# Altium PCB OFDMT1.PcbDoc (part 2 of 3)
Units mm, origin at the board's own origin, x right, y up, seen from the top; angles counter-clockwise.
Board outline 40.21 x 28.18 mm, 6 copper layers (Top Layer, GND1, SIGNAL, POWER, GND2, Bottom Layer), stack 0.816 mm thick; 270 components, 194 nets, 1281 pads, 664 vias.
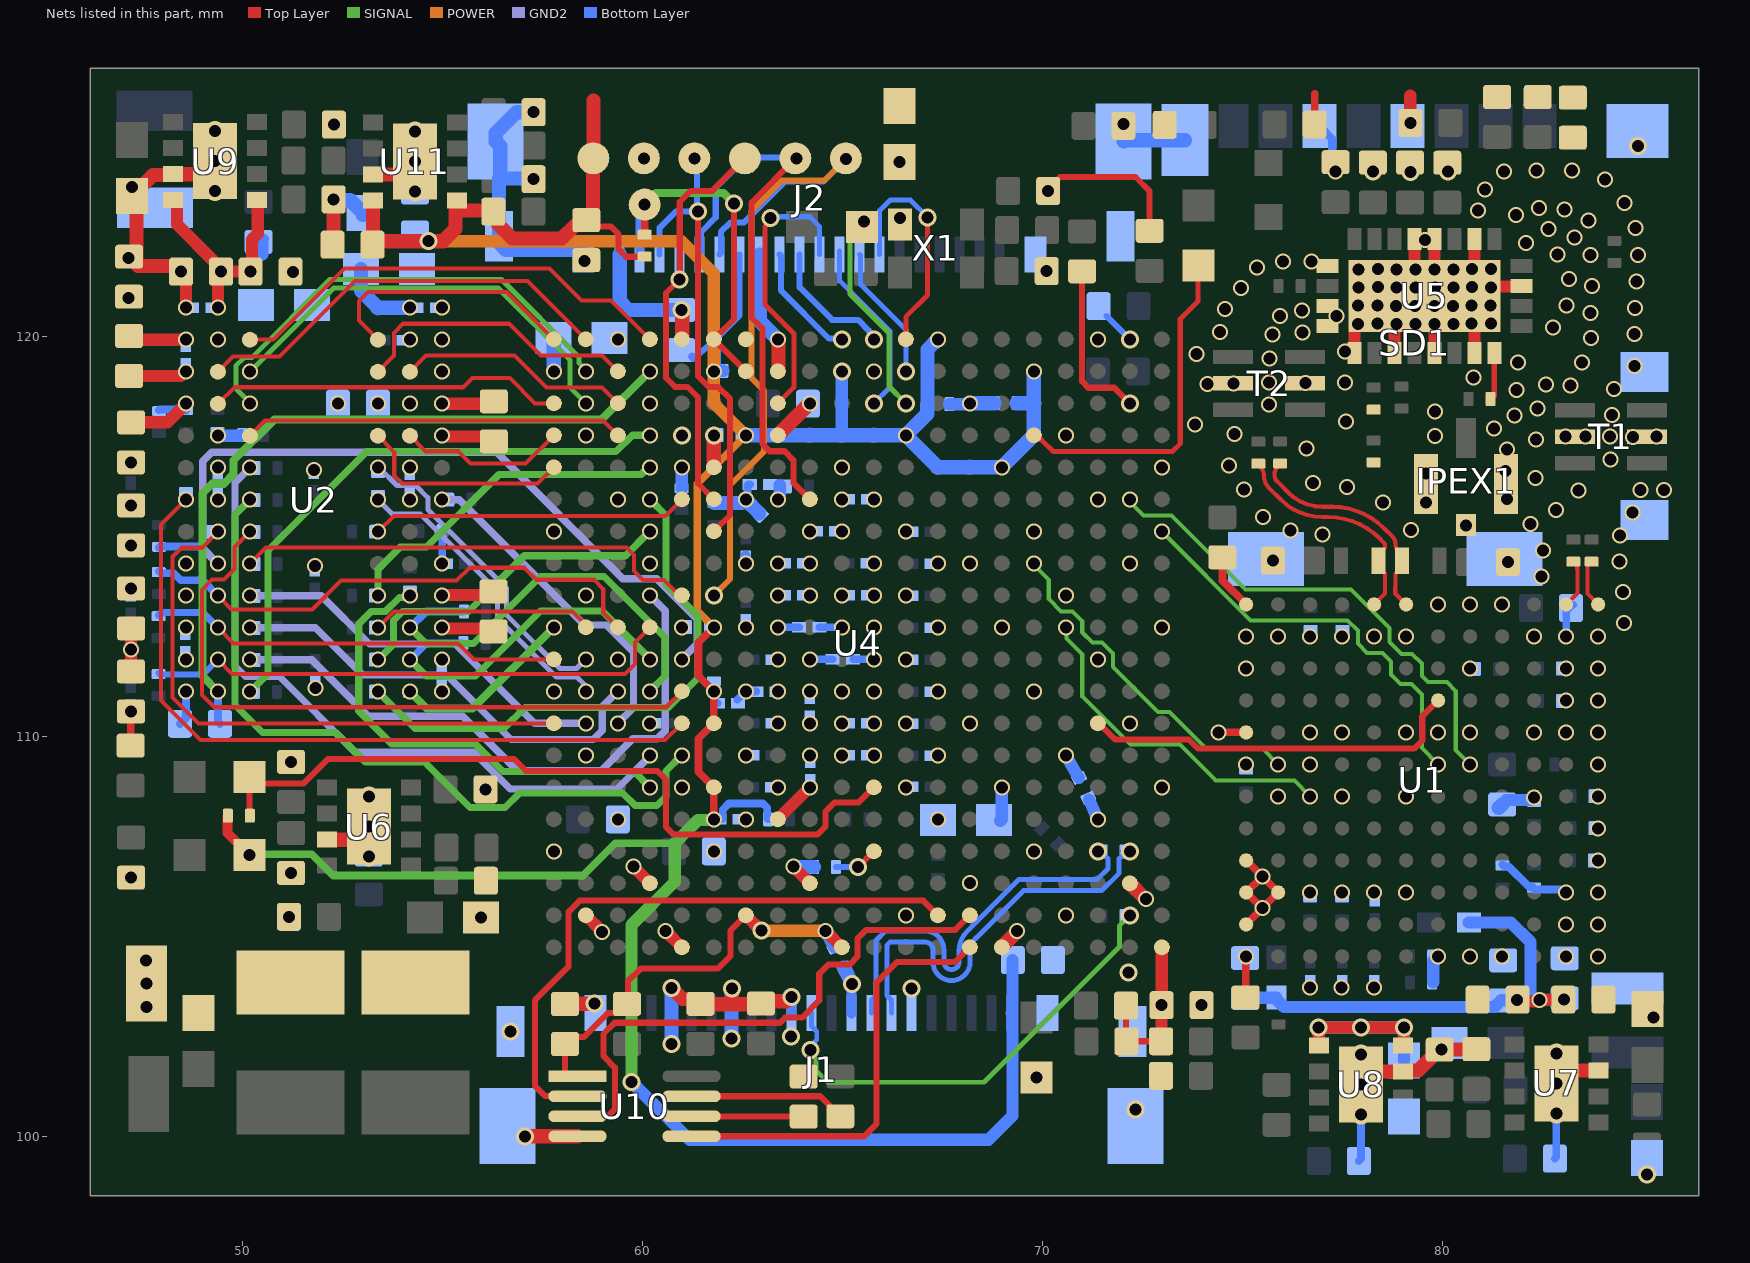
[diagram p6: the nets of this part, all layers, seen from the top]

## Via types
v1: diameter 0.4, hole 0.3, Top Layer to Bottom Layer, tented both sides, 519 vias
v2: diameter 0.45, hole 0.3, Top Layer to Bottom Layer, tented both sides, 130 vias
v3: diameter 0.5, hole 0.3, Top Layer to Bottom Layer, tented both sides, 15 vias

## Nets (pads, with @x,y where several pads share a name; then routed paths per layer and width w, separated by ;. In a path a pad name is that pad's centre, name@x,y a point inside that pad or via, vN(x,y) a via of type N, cw(c..) or ccw(c..) an arc to the next point about the centre after c; other vN are vias at no path point) (continued)
+1.3: C12.1 C109.1 C110.2 C113.1 C114.2 FB2.1 FB3.1 L2.2 | length 12.6
  Top Layer w0.305: v1(81.871,103.402) 81.871,103.377 82.434,103.377 82.468,103.411 C12.1@83.028,103.411 ; C12.1@83.028,103.416 C12.1@83.028,103.411 ; C12.1@83.036,103.411 C12.1@83.031,103.411 ; v1(83.036,103.416) C12.1@83.031,103.411 ; C12.1@83.028,103.411 C12.1@83.031,103.411
  Bottom Layer w0.305: C113.1@75.07,103.454 75.076,103.461 75.851,103.461 FB3.1@75.857,103.467 ; FB3.1@75.857,103.417 76.042,103.232 81.304,103.232 81.473,103.401 81.869,103.401 v1(81.871,103.402) 82.202,103.402 ; FB2.1@80.662,105.347 81.712,105.347 82.202,104.856 82.202,103.405 v1(82.434,103.405) ; v1@82.436,103.403 C110.2@83.012,103.403 ; C110.2@83.012,103.45 C110.2@83.058,103.45 83.036,103.427 v1(83.036,103.416)
+1.5: C5.2 C6.1 C19.1 C44.1 C45.1 C46.1 C47.1 C48.1 C49.1 C50.1 C51.1 C52.1 C53.1 C93.1 C94.1 C95.1 C96.1 C97.1 C98.1 C99.1 C101.2 R19.1 R23.1 R24.1 U2.A2 U2.A9 U2.B9 U2.C1 U2.D7 U2.E2 U2.E9 U2.G2 U2.G8 U2.K1 U2.K9 U2.M1 U2.M9 U4.A3 U4.D2 U4.E5 U4.G1 U4.H4 U4.L3 U4.P2 U4.R5 U4.U1 U4.V4 U9.4 U9.5 | length 13.2
  Top Layer w0.305: C47.1@47.168,119.007 48.459,119.007 48.565,119.113 v1(48.591,119.113) ; C50.1@47.219,111.62 47.217,111.622 47.217,112.164 v1(47.214,112.166) 47.217,112.168 47.217,112.694 C44.1@47.219,112.696 ; U9.4@48.33,123.394 48.37,123.354 48.37,122.793 49.319,121.845 49.319,121.763 v2(49.466,121.615) ; v1(49.391,120.713) 49.391,121.54 v2(49.466,121.615) ; C49.1@50.203,121.665 v2(50.203,121.615) ; U9.5@50.384,123.449 50.384,122.562 50.241,122.42 50.241,121.653 v2(50.203,121.615) ; v1(54.991,113.513) 55.009,113.532 56.188,113.532 C52.1@56.281,113.624 ; v1(54.991,117.513) 55.009,117.495 56.189,117.495 56.286,117.398 C48.1@56.286,117.373 ; v1(59.78,106.743) 59.78,106.737 60.187,106.33 U4.V4@60.187,106.324 ; v2(49.466,121.615) v2(50.203,121.615)
  Bottom Layer w0.305: v1(49.391,117.513) 49.953,117.513 C19.1@49.968,117.528 ; 50.503,122.047 50.503,122.412 50.508,122.417 R19.1@50.503,122.417 ; R24.1@60.984,116.202 60.984,116.721 v1(60.987,116.724)
  other v1: 57.787,107.124 60.987,108.724 58.587,109.524 48.591,111.913 54.991,111.913 59.387,111.924 48.591,113.513 60.187,114.324 47.219,114.772 57.787,115.124 49.391,115.913 54.191,115.913 47.219,116.847 58.587,117.524 53.391,118.313 54.991,119.913 59.387,119.924 54.991,120.713 47.155,120.955
+1.8: C3.2 C4.1 C29.1 C34.1 C35.2 C41.1 C43.1 C70.1 C71.1 C72.1 C73.1 C74.1 C75.1 C76.1 C77.1 C83.1 C84.1 C85.1 C86.1 C87.1 FB1.1 FB5.1 R16.1 R25.1 R91.1 R92.1 U1.H12 U4.C19 U4.F8 U4.F11 U4.F18 U4.G9 U4.H8 U4.H14 U4.J9 U4.J11 U4.J17 U4.K8 U4.K20 U4.L11 U4.M8 U4.M16 U4.N9 U4.N11 U4.N19 U4.P10 U4.R9 U4.R15 U4.T8 U4.T18 U4.U11 U4.V14 U4.W7 U4.W17 U4.Y10 U4.Y20 U8.4 U8.5 U10.1 | length 31.5
  Top Layer w0.152: U10.1@58.407,101.499 58.407,101.427 58.335,101.499 58.064,101.499 C43.1@58.064,102.307 58.234,102.476 58.539,102.476 59.145,103.083 59.39,103.083 R25.1@59.614,103.306 59.639,103.332 59.639,103.873 59.957,104.191 61.89,104.191 62.202,104.503 62.202,105.139 U4.W7@62.587,105.524 ; v2(65.392,106.731) U4.U11@65.787,107.124 ; FB5.1@70.993,121.623 70.993,118.872 71.152,118.713 71.798,118.713 v2(72.187,118.324) ; R92.1@71.879,102.101 72.103,102.325 R92.1@72.103,102.375 ; R91.1@72.09,103.264 72.09,102.387 R92.1@72.103,102.375 ; R16.1@72.976,102.381 R16.1@72.97,102.375 R92.1@72.103,102.375
  Top Layer w0.191: v1(74.409,110.096) U1.H12@75.095,110.096
  Top Layer w0.305: U4.W7@62.587,105.524 62.968,105.143 v2(62.979,105.143) ; U4.T8@63.387,107.924 v1(64.187,108.724) ; v1(64.58,105.137) 64.58,105.131 U4.Y10@64.987,104.724 U4.Y10@64.987,104.718 ; U4.V14@68.187,106.324 v1(68.187,106.327) ; R16.1@72.976,102.381 72.976,103.27 v1(72.982,103.276) 72.985,103.279 72.985,104.68 72.987,104.683 U4.Y20@72.987,104.724 ; U8.5@76.915,102.27 76.908,102.277 76.908,102.708 v2(76.902,102.715) v2(77.969,102.715) v2(79.036,102.715) 79.026,102.705 79.026,102.281 U8.4@79.015,102.27
  POWER w0.305: v2(62.979,105.143) 62.985,105.137 v1(64.58,105.137)
  Bottom Layer w0.152: C29.1@64.842,106.731 v2(65.392,106.731) ; C41.1@71.147,108.463 C41.1@71.167,108.418
  Bottom Layer w0.178: C73.1@65.265,111.925 v1(65.787,111.924)
  Bottom Layer w0.191: v1@63.387,112.725 C85.1@63.919,112.725
  Bottom Layer w0.305: v1(63.387,115.924) 63.405,115.942 63.405,116.01 63.433,116.038 63.433,116.283 ; v1(64.58,105.137) C34.1@64.806,104.719 ; C35.2@68.948,107.886 68.987,107.925 v1(68.987,108.724) ; C41.1@71.167,108.418 v1(71.387,107.924) ; v2(76.902,102.715) v2(77.969,102.715) v2(79.036,102.715) 79.04,102.711 79.04,101.897 C3.2@79.045,101.892
  other v1: 70.587,105.524 64.987,109.524 64.187,110.324 65.787,110.324 72.187,110.324 63.387,111.124 69.787,111.124 63.387,112.724 72.987,112.724 64.187,113.524 65.787,113.524 70.587,113.524 63.387,114.324 68.187,114.324 64.187,115.124 65.787,115.924 71.387,115.924
+3.3: C13.2 C32.1 C55.1 C56.1 C57.1 C58.1 C59.1 C60.1 C61.1 C62.1 C63.1 C104.2 C105.1 C106.1 D5.2 J1.1 J2.7 R29.1 R33.1 R58.2 R59.2 R60.2 R61.2 R65.2 R66.2 R89.2 R90.2 R93.2 SD1.4 TP5.1 U4.A13 U4.B6 U4.B10 U4.B16 U4.D7 U4.D12 U4.E15 U4.K6 U4.M6 U4.N6 U4.R6 U4.T6 U11.4 U11.5 | length 92.4
  Top Layer w0.152: C62.1@58.674,122.903 58.831,122.746 59.21,122.746 59.409,122.548 59.409,122.17 59.591,121.988 R65.2@60.058,121.988
  Top Layer w0.191: v1(61.787,107.924) U4.R6@61.787,108.724 61.403,109.108 61.403,109.94 U4.N6@61.787,110.324 v1(61.787,111.124) 61.403,111.508 61.403,112.34 v1(61.787,112.724) ; R60.2@76.806,125.298 76.806,126.06
  Top Layer w0.254: R93.2@49.631,107.991 49.631,107.582 v2(50.178,107.036)
  Top Layer w0.305: 79.197,126.022 79.197,125.34 v1(79.2,125.336)
  Top Layer w0.356: U11.4@53.264,123.391 53.264,122.415 53.303,122.376 v2(54.648,122.377) v2(54.648,122.377) 55.018,122.377 55.328,122.687 55.328,123.369 55.35,123.391 U11.5@55.364,123.391 ; U11.5@55.414,123.391 U11.5@55.364,123.391 ; R29.1@56.24,123.097 56.24,123.147 55.364,123.147 U11.5@55.364,123.391 ; R29.1@56.274,123.114 56.396,122.992 56.396,122.797 56.751,122.441 57.988,122.441 58.327,122.78 58.476,122.78 C62.1@58.598,122.903 ; C62.1@58.768,123.023 TP5.1@58.768,124.44 ; TP5.1@58.776,124.447 58.776,125.895
  SIGNAL w0.191: v2(50.178,107.036) 50.195,107.053 51.739,107.053 52.275,106.517 58.515,106.517 59.323,107.325 60.808,107.325
  SIGNAL w0.305: v2(59.728,101.359) 59.728,105.283 60.808,106.363 60.808,107.325 61.389,107.906 61.769,107.906 v1(61.787,107.924)
  POWER w0.191: v1(61.787,112.724) 61.374,113.137 61.374,116.311 61.787,116.724 v1(62.587,117.524)
  POWER w0.305: v2(54.648,122.377) 60.979,122.377 61.787,121.57 v1(61.787,119.124) 61.787,118.324 v1(62.587,117.524)
  Bottom Layer w0.152: C55.1@61.239,119.516 61.213,119.49 61.264,119.429 61.787,119.877 62.434,120.524 J2.7@62.434,122.047 ; v1@61.809,119.146 61.809,119.213 61.885,119.29 61.885,119.961
  Bottom Layer w0.191: v1(61.787,111.124) 61.827,111.084 61.827,110.865 61.863,110.829 C106.1@61.887,110.829 ; C105.1@61.833,107.971 v1(61.787,107.924) 62.001,107.924 C105.1@62.001,107.955 ; C105.1@61.925,107.925 C105.1@61.971,107.925 ; C105.1@62.007,107.961 62.007,108.163 62.163,108.319 63.012,108.319 63.123,108.207 63.123,107.945 R89.2@63.144,107.924
  Bottom Layer w0.305: v2(59.728,101.359) 61.176,99.911 68.656,99.911 69.257,100.512 69.257,102.649 69.255,102.651 J1.1@69.255,103.049 ; v1(61.787,119.124) v1@61.793,119.13 ; v1@61.799,119.136 R66.2@62.025,119.136 ; v2(64.987,119.124) 64.987,117.599 65.062,117.524 ; J1.1@69.228,103.077 69.255,103.104 69.255,103.502 69.257,103.504 C57.1@69.257,104.403
  Bottom Layer w0.356: v1@62.587,117.536 v1(62.587,117.524) 65.062,117.524 v1(66.587,117.524) ; C59.1@67.124,118.3 67.124,118.061 v1(66.587,117.524) ; C59.1@67.128,118.305 67.128,119.666 v1(67.387,119.924) ; C60.1@69.355,118.326 69.785,118.326 69.787,118.324 ; v1(69.787,119.124) 69.787,118.324 ; v1(66.587,117.524) 67.387,116.724 v1(68.987,116.724) 69.787,117.524 69.787,118.324
AD9361_RESET: R7.1 U1.K5
  other v1: 80.695,111.696
AD9361_RX1A_N: C10.2 U1.M2 | length 1.2
  Top Layer w0.102: U1.M2@83.095,113.296 83.374,113.575 83.374,114.179 83.373,114.239 C10.2@83.274,114.338
AD9361_RX1A_P: C9.2 U1.M1 | length 1.2
  Top Layer w0.102: C9.2@83.731,114.338 83.632,114.239 83.632,114.184 83.628,114.179 83.628,113.564 U1.M1@83.895,113.296
AD9361_TX1A_N: C23.2 L4.2 U1.M8 | length 5.7
  Top Layer w0.104: C23.2@75.4,116.789 75.435,116.754 cw(c75.169,116.489) 75.545,116.489 ccw(c75.92,116.489) 75.655,116.223 75.972,115.906 ccw(c77.001,116.935) 77.001,115.48 77.148,115.48 cw(c77.148,113.669) 78.428,114.95 78.531,114.847 cw(c78.438,114.753) 78.57,114.753 cw(c78.438,114.753) L4.2@78.531,114.66 ; U1.M8@78.295,113.296 78.567,113.568 78.567,113.816 78.57,113.819 78.57,114.066 78.406,114.23 L4.2@78.406,114.383 78.406,114.419 cw(c78.686,114.419) 78.488,114.617 L4.2@78.531,114.66
AD9361_TX1A_P: C24.2 L1.2 U1.M7 | length 5.8
  Top Layer w0.104: C24.2@75.946,116.794 75.875,116.723 ccw(c76.054,116.544) 75.801,116.544 ccw(c76.054,116.544) 75.875,116.365 76.153,116.088 ccw(c77.001,116.937) 77.001,115.736 77.254,115.736 cw(c77.254,113.926) 78.535,115.206 78.75,114.99 cw(c78.566,114.806) 78.826,114.806 ccw(c79.087,114.806) 78.903,114.622 78.908,114.617 cw(c78.711,114.419) 78.99,114.419 L1.2@78.99,114.383 78.99,114.23 78.826,114.066 78.826,113.713 78.823,113.71 78.823,113.568 U1.M7@79.095,113.296
ANT: C33.2 U5.12 | length 1.2
  Top Layer w0.14: C33.2@81.229,118.432 81.303,118.506 U5.12@81.303,119.581
bootmode: J2.2 R65.1 TP7.1 U4.A6 U4.B7 | length 9.2
  Top Layer w0.152: v2(62.292,123.316) 62.292,120.429 U4.A6@61.787,119.924 U4.B7@62.587,119.124
  Top Layer w0.191: R65.1@60.058,122.538 v2(60.058,123.292)
  SIGNAL w0.203: v2(60.058,123.292) 60.345,123.579 62.029,123.579 v2(62.292,123.316)
  Bottom Layer w0.203: J2.2@59.934,122.047 59.934,123.1 60.058,123.225 v2(60.058,123.292)
CLK_IN_9361: R62.2 U1.M12 | length 1.4
  Top Layer w0.191: R62.2@74.498,114.473 74.504,114.467 74.504,113.887 U1.M12@75.095,113.296
CLK_OUT_9361: U1.J6 U4.N18 | length 9.6
  Top Layer w0.152: U4.N18@71.387,110.324 71.415,110.324 71.824,109.916 73.666,109.916 73.892,109.69 79.294,109.69 79.498,109.894 79.498,110.499 U1.J6@79.895,110.896
DATA_CLK_P: U1.G11 U4.H16 | length 8.9
  SIGNAL w0.102: v1(69.787,114.324) 69.787,114.282 70.161,113.908 70.161,113.429 70.47,113.119 70.757,113.119 70.997,112.878 70.997,112.6 71.259,112.339 71.495,112.339 71.762,112.072 71.762,111.737 72.895,110.604 73.177,110.604 74.092,109.69 75.502,109.69 v1(75.895,109.296)
DDR_A0: R32.1 U2.K3 U4.N2 | length 9.7
  GND2 w0.178: v1(50.191,113.513) 51.974,113.513 53.181,112.306 55.321,112.306 57.303,110.324 v1(58.587,110.324)
DDR_A1: R37.1 U2.L7 U4.K2 | length 5.6
  Top Layer w0.102: v1(53.391,112.713) 53.796,113.119 58.249,113.119 58.587,112.781 U4.K2@58.587,112.724
DDR_A2: R41.1 U2.L3 U4.M3 | length 11.2
  GND2 w0.178: v1(50.191,112.713) 51.827,112.713 53.005,111.536 55.103,111.536 56.718,109.921 58.772,109.921 58.998,110.147 58.998,110.736 v1(59.387,111.124)
DDR_A3: R45.1 U2.K2 U4.K3 | length 13.3
  Top Layer w0.102: v1(49.391,113.513) 49.73,113.174 51.748,113.174 52.463,113.889 55.353,113.889 55.675,114.212 57.058,114.212 57.357,113.913 58.793,113.913 59.022,113.684 59.022,113.089 U4.K3@59.387,112.724
  Bottom Layer w0.191: R45.1@47.914,114.128 47.968,114.073 48.288,114.073 48.463,113.898 49.007,113.898 v1(49.391,113.513)
DDR_A4: R48.1 U2.L8 U4.M4 | length 10.9
  SIGNAL w0.178: v1(54.191,112.713) 54.584,112.321 55.78,112.321 57.455,113.995 59.042,113.995 60.568,112.47 60.568,111.505 v1(60.187,111.124)
  Bottom Layer w0.191: v1(54.191,112.713) 54.596,113.119 R48.1@55.517,113.119
DDR_A5: R52.1 U2.L2 U4.L1 | length 10.4
  Top Layer w0.102: v1(49.391,112.713) 49.781,112.324 55.393,112.324 55.792,111.924 U4.L1@57.787,111.924
  Bottom Layer w0.178: R52.1@47.904,113.025 47.965,113.086 48.063,113.086 48.07,113.093 49.011,113.093 v1(49.391,112.713)
DDR_A6: R55.1 U2.M8 U4.L4 | length 8.8
  SIGNAL w0.178: v1(54.191,111.913) 54.598,111.507 55.83,111.507 57.453,113.13 58.996,113.13 v1@60.187,111.939
  Bottom Layer w0.178: v1(54.191,111.913) 54.609,112.331 R55.1@55.499,112.331
  other v1: 60.187,111.924
DDR_A7: R34.1 U2.M2 U4.K4 | length 13.4
  Top Layer w0.102: v1(49.391,111.913) 49.745,111.56 59.566,111.56 59.811,111.805 59.811,112.349 U4.K4@60.187,112.724
  Bottom Layer w0.152: R34.1@47.904,111.577 47.933,111.548 49.026,111.548 v1(49.391,111.913)
DDR_A8: R38.1 U2.N8 U4.K1 | length 4.6
  SIGNAL w0.203: v1(54.191,111.113) 54.609,110.695 55.758,110.695 v1(57.787,112.724)
DDR_A9: R42.1 U2.M3 U4.J4 | length 15.6
  GND2 w0.191: v1(50.191,111.913) 51.739,111.913 53.149,110.503 55.511,110.503 56.873,109.14 58.971,109.14 59.766,109.935 60.371,109.935 60.571,110.135 60.571,113.14 v1(60.187,113.524)
  Bottom Layer w0.191: v1(50.191,111.913) 50.197,111.907 R42.1@50.305,111.907
DDR_A10: R46.1 U2.H7 U4.F5 | length 7.9
  Top Layer w0.102: v1(53.391,115.113) 53.788,115.51 60.573,115.51 U4.F5@60.987,115.924
DDR_A11: R49.1 U2.M7 U4.G4 | length 8.5
  SIGNAL w0.178: v1(53.391,111.913) 53.778,112.301 53.778,112.897 54,113.119 54.596,113.119 55.653,113.119 57.047,114.513 59.575,114.513 v1(60.187,115.124)
DDR_A12: R53.1 U2.K7 U4.E4 | length 8.5
  SIGNAL w0.178: v1(53.391,113.513) 53.391,114.176 53.947,114.732 54.608,114.732 56.424,116.548 59.972,116.548 60.148,116.724 v1(60.187,116.724)
DDR_A13: R56.1 U2.N3 U4.D4 | length 14.5
  SIGNAL w0.178: v1(50.191,111.113) 50.64,111.562 50.64,114.648 53.11,117.118 59.344,117.118 59.751,117.524 v1(60.187,117.524)
DDR_A14: R35.1 U2.N7 U4.F4 | length 13.9
  SIGNAL w0.178: v1(53.391,111.113) 54.313,110.191 56.533,110.191 57.064,110.721 60.652,110.721 61.389,111.458 61.389,113 60.594,113.795 60.594,115.518 v1(60.187,115.924)
DDR_BA0: R39.1 U2.J2 U4.L5 | length 19.7
  GND2 w0.191: v1(49.391,114.313) 49.007,114.698 49.007,116.873 49.232,117.098 56.357,117.098 59.514,113.94 60.355,113.94 61.371,112.924 61.371,112.308 v1(60.987,111.924)
  Bottom Layer w0.191: R39.1@47.917,114.711 47.95,114.744 48.96,114.744 v1(49.391,114.313)
DDR_BA1: R43.1 U2.K8 U4.R4 | length 11.8
  SIGNAL w0.178: v1(54.191,113.513) 54.15,113.473 53.925,113.473 53.572,113.12 53.221,113.12 52.911,112.81 52.911,110.628 53.735,109.805 55.823,109.805 56.513,109.115 59.796,109.115 v1(60.187,108.724)
DDR_BA2: R47.1 U2.J3 U4.J5 | length 11.7
  Top Layer w0.102: v1(50.191,114.313) 50.596,114.719 59.603,114.719 59.793,114.529 59.793,114.13 60.016,113.907 60.544,113.907 U4.J5@60.927,113.524
  Bottom Layer w0.191: v1(50.191,114.313) 50.197,114.307 R47.1@50.305,114.307
DDR_CAS: R36.1 U2.G3 U4.P5 | length 18.7
  SIGNAL w0.178: v1(50.191,115.913) 49.817,115.54 49.817,115.274 49.813,115.27 49.813,110.782 50.503,110.092 52.336,110.092 53.075,109.353 54.553,109.353 55.689,108.217 56.566,108.217 56.934,108.585 59.501,108.585 59.821,108.265 60.37,108.265 60.593,108.489 60.593,109.131 v1(60.987,109.524)
DDR_CKE: R44.1 U2.G9 U4.N3 | length 8.3
  GND2 w0.178: v1(54.991,115.913) 55.422,115.913 58.558,112.777 59.104,112.777 59.783,112.098 59.783,110.721 v1(59.387,110.324)
DDR_CKN: R51.2 U2.G7 U4.M2 | length 7.7
  GND2 w0.127: v1(53.391,115.913) 53.75,115.554 54.447,115.554 56.384,113.618 56.384,112.945 57.853,111.477 58.368,111.477 58.535,111.31 58.535,111.176 v1(58.587,111.124)
DDR_CKP: R51.1 U2.F7 U4.L2 | length 7.9
  GND2 w0.127: v1(53.391,116.713) 53.423,116.713 53.867,116.269 54.334,116.269 54.638,115.964 54.638,115.668 56.6,113.707 56.6,113.034 57.942,111.692 58.355,111.692 v1(58.587,111.924)
DDR_CS: R54.1 U2.H2 U4.N1 | length 14.7
  Top Layer w0.102: v1(49.391,115.113) 48.989,114.712 48.475,114.712 48.251,114.488 48.251,110.973 48.9,110.324 U4.N1@57.787,110.324
DDR_DM0: U2.B7 U4.A1 | length 6.6
  Top Layer w0.102: U2.B7@53.391,119.913 52.915,120.389 52.915,120.88 53.138,121.103 56.608,121.103 U4.A1@57.787,119.924
DDR_DQ0: U2.B3 U4.A4 | length 11.5
  Top Layer w0.102: U2.B3@50.191,119.913 50.783,119.913 52.559,121.689 57.682,121.689 58.474,120.897 59.214,120.897 U4.A4@60.187,119.924
DDR_DQ1: U2.C7 U4.B3 | length 7.3
  Top Layer w0.102: U2.C7@53.391,119.113 53.79,119.513 53.79,120.082 54.021,120.313 56.67,120.313 57.462,119.522 58.989,119.522 U4.B3@59.387,119.124
DDR_DQ2: U2.C2 U4.A2 | length 10.7
  Top Layer w0.102: U2.C2@49.391,119.113 49.77,119.492 50.925,119.492 52.817,121.384 57.127,121.384 57.458,121.053 U4.A2@58.587,119.924
DDR_DQ3: U2.C8 U4.C3 | length 5.9
  Top Layer w0.102: U2.C8@54.191,119.113 54.592,119.515 56.803,119.515 57.6,118.718 58.994,118.718 U4.C3@59.387,118.324
DDR_DQ4: U2.E3 U4.D3 | length 9.5
  Top Layer w0.102: U2.E3@50.191,117.513 50.566,117.889 59.022,117.889 U4.D3@59.387,117.524
DDR_DQ5: U2.E8 U4.D1 | length 4.2
  Top Layer w0.102: U2.E8@54.191,117.513 54.58,117.125 55.403,117.125 55.708,116.819 57.081,116.819 U4.D1@57.787,117.524
DDR_DQ6: U2.D2 U4.C1 | length 8.9
  Top Layer w0.102: U2.D2@49.391,118.313 49.802,118.725 55.52,118.725 55.748,118.953 56.686,118.953 57.315,118.324 U4.C1@57.787,118.324
DDR_DQ7: U2.E7 U4.E1 | length 5.4
  Top Layer w0.102: U2.E7@53.391,117.513 53.797,117.107 53.797,116.522 54,116.319 57.382,116.319 U4.E1@57.787,116.724
DDR_DQS0_N: U2.D3 U4.B2 | length 11.8
  SIGNAL w0.127: v1(50.191,118.313) 50.191,118.341 49.837,118.694 49.837,119.125 49.838,119.127 49.838,119.259 50.045,119.466 50.238,119.466 52.193,121.421 56.479,121.421 58.412,119.489 58.412,119.335 58.587,119.16 v1(58.587,119.124)
DDR_DQS0_P: U2.C3 U4.C2 | length 10.9
  SIGNAL w0.127: v1(50.191,119.113) 52.283,121.205 56.389,121.205 58.196,119.399 58.196,118.716 v1(58.587,118.324)
DDR_ODT: R50.1 U2.G1 U4.N5 | length 18.8
  Top Layer w0.102: U2.G1@48.558,115.881 47.968,115.291 47.968,110.896 48.959,109.906 60.569,109.906 U4.N5@60.987,110.324
  other v1: 48.59,115.913
DDR_RAS: R57.1 U2.F3 U4.P4 | length 17.1
  GND2 w0.178: v1(50.191,116.713) 49.813,116.336 49.813,111.756 50.078,111.491 50.929,111.491 52.819,109.601 55.775,109.601 56.698,108.678 59.366,108.678 60.187,109.499 v1(60.187,109.524)
DDR_RESET: R31.2 U2.N2 U4.B4 | length 18.6
  SIGNAL w0.203: v1(49.391,111.113) 49,111.504 49,116.075 49.239,116.313 49.543,116.313 49.781,116.552 49.781,116.9 50.799,117.918 58.98,117.918 v1(60.187,119.124)
  Bottom Layer w0.203: v1(49.391,111.113) 49.391,110.362 R31.2@49.441,110.312
DDR_WE: R40.1 U2.H3 U4.M5 | length 17.2
  Top Layer w0.102: v1(50.191,115.113) 49.802,114.725 49.802,114.177 49.539,113.913 49.247,113.913 48.988,113.655 48.988,111.035 49.299,110.725 60.588,110.725 U4.M5@60.987,111.124
  Bottom Layer w0.191: v1(50.191,115.113) 50.197,115.107 R40.1@50.305,115.107
EN_AGC: U1.G5 U4.F19 | length 12.6
  SIGNAL w0.102: v1@72.118,115.93 72.526,115.522 73.225,115.522 75.074,113.674 77.718,113.674 78.68,112.711 78.68,112.362 78.981,112.062 79.244,112.062 79.49,111.816 79.49,111.503 79.637,111.357 80.111,111.357 80.335,111.133 80.335,109.657 v1(80.695,109.296)
  other v1: 72.187,115.924
EN_ENSM: U1.G6 U4.G20 | length 10.5
  SIGNAL w0.102: v1@73,115.1 75.204,112.895 77.633,112.895 77.886,112.642 77.886,112.317 78.119,112.084 78.499,112.084 78.721,111.863 78.721,111.538 78.953,111.306 79.227,111.306 79.489,111.043 79.489,109.702 v1(79.895,109.296)
  other v1: 72.987,115.124
FB_CLK_P: U1.F10 U4.K17 | length 8.6
  SIGNAL w0.102: v1(70.587,112.724) 70.601,112.71 70.601,112.443 70.998,112.045 70.998,110.989 72.199,109.788 73.437,109.788 74.336,108.89 76.302,108.89 v1(76.695,108.496)
FPGA_DIR: U4.Y14 U10.5 | length 11
  Top Layer w0.152: U10.5@61.23,99.999 65.544,99.999 65.849,100.305 65.849,103.835 66.373,104.359 67.822,104.359 U4.Y14@68.187,104.724
FPGA_DONE: D1.2 R93.1 U4.R11 | length 19.1
  Top Layer w0.152: R93.1@50.178,108.013 D1.2@50.178,108.979 50.335,108.821 51.532,108.821 52.146,109.436 56.792,109.436 57.096,109.131 60.374,109.131 60.596,108.909 60.596,107.727 60.783,107.54 64.373,107.54 64.575,107.742 64.575,108.115 64.801,108.341 65.403,108.341 U4.R11@65.787,108.724
FPGA_JTAG_TCK: J2.5 TP3.1 U4.F9 | length 14
  Top Layer w0.152: v2(63.856,124.447) TP3.1@63.825,124.447 63.825,124.435 62.729,123.338 62.729,120.468 63,120.197 63,117.309 63.185,117.124 63.558,117.124 63.778,116.904 63.778,116.333 U4.F9@64.187,115.924
  Bottom Layer w0.152: J2.5@61.434,122.047 61.468,122.082 61.468,122.606 61.834,122.972 61.834,123.709 62.598,124.473 63.83,124.473 v2(63.856,124.447)
FPGA_JTAG_TDI: J2.3 TP1.1 U4.G6 | length 11.8
  Top Layer w0.152: v2(61.393,123.118) 61.392,123.116 61.392,119.003 61.666,118.729 61.899,118.729 62.194,118.434 62.194,115.531 U4.G6@61.787,115.124
  Bottom Layer w0.152: J2.3@60.434,122.047 60.434,122.714 60.837,123.118 v2(61.393,123.118) 61.37,123.141 61.37,124.297 61.3,124.367 v2(61.3,124.447)
FPGA_JTAG_TDO: J2.4 TP2.1 U4.F6 | length 11
  Top Layer w0.152: U4.F6@61.787,115.924 61.392,116.319 61.392,118.472 61.133,118.731 60.822,118.731 60.591,118.962 60.591,121.081 v2(60.935,121.425) 60.935,123.356 61.214,123.636 61.751,123.636 TP2.1@62.563,124.447
  Bottom Layer w0.152: v2(60.935,121.425) J2.4@60.934,122.047
FPGA_JTAG_TMS: J2.6 TP4.1 U4.J6 | length 17.6
  POWER w0.152: v2(61.787,113.524) 62.192,113.929 62.192,116.275 63.043,117.126 63.043,118.642 62.724,118.961 62.724,123.129 63.484,123.889 64.542,123.889 v2(65.087,124.435)
  Bottom Layer w0.152: J2.6@61.934,122.047 61.966,122.079 61.966,122.608 62.199,122.842 62.535,122.842 63.569,123.876 64.529,123.876 v2(65.087,124.435)
FPGA_MIPI_D0_LP_N: U4.W14 U10.3 | length 14.1
  Top Layer w0.152: U10.3@58.378,100.499 58.402,100.523 59.165,100.523 59.316,100.674 59.316,101.718 59.024,102.01 59.024,102.556 59.305,102.837 63.444,102.837 63.574,102.966 63.995,102.966 64.424,103.395 64.424,104.067 64.649,104.292 65.18,104.292 65.383,104.495 65.383,104.948 65.594,105.159 67.822,105.159 U4.W14@68.178,105.515
FPGA_MIPI_D0_LP_P: U4.W13 U10.2 | length 15.4
  Top Layer w0.152: U10.2@58.378,100.999 58.375,101.002 57.571,101.002 57.315,101.258 57.315,103.397 58.152,104.234 58.152,105.606 58.436,105.889 67.022,105.889 U4.W13@67.387,105.524
GND: C1.2 C2.2 C3.1 C4.2 C5.1 C6.2 C7.1 C8.1 C11.1 C12.2 C13.1 C14.1 C15.1 C16.2 C17.1 C18.2 C20.1 C21.2 C22.2 C25.2 C26.2 C27.1 C28.1 C29.2 C30.1 C31.1 C32.2 C34.2 C35.1 C36.2 C37.2 C38.2 C39.2 C40.2 C41.2 C42.2 C43.2 C44.2 C45.2 C46.2 C47.2 C48.2 C49.2 C50.2 C51.2 C52.2 C53.2 C54.1 C55.2 C56.2 C57.2 C58.2 C59.2 C60.2 C61.2 C62.2 C63.2 C64.2 C65.2 C66.2 C67.2 C68.2 C69.2 C70.2 C71.2 C72.2 C73.2 C74.2 C75.2 C76.2 C77.2 C78.2 C79.2 C80.2 C81.2 C82.2 C83.2 C84.2 C85.2 C86.2 C87.2 C88.1 C89.2 C90.2 C91.2 C92.2 C93.2 C94.2 C95.2 C96.2 C97.2 C98.2 C99.2 C100.1 C101.1 C102.1 C103.1 C104.1 C105.2 C106.2 C109.2 C110.1 C111.2 C112.1 C113.2 C114.1 C115.2 C116.1 C117.2 C118.2 C119.1 C120.2 C121.1 C122.2 C123.1 C124.2 C125.1 C126.2 C127.2 C128.2 C130.2 C131.2 C132.2 C133.2 C134.2 C135.2 C136.2 C137.2 C138.2 C139.2 C140.2 C141.1 C142.1 C143.2 C144.1 C145.1 D4.1 IPEX1.2 IPEX1.3 IPEX1.4 J1.6 J1.9 J1.12 J1.15 J1.18 J1.MP1 J1.MP2 J1.MP3 J1.MP4 J1.MP5 J1.MP6 J2.1 J2.8 J2.MP1 J2.MP2 J2.MP3 J2.MP4 J2.MP5 J2.MP6 pwr-1.1 pwr-.1 R4.2 R6.1 R8.1 R9.2 R12.2 R15.2 R18.2 R21.1 R22.2 R26.2 R27.1 R28.2 R31.1 R63.1 R64.1 R67.2 R70.2 R71.1 R94.1 SD1.6 SD1.9 SD1.10 SD1.11 SD1.12 SD1.13 SD1.14 T1.2 T1.5 T2.2 T2.5 TP6.1 U1.A1 U1.A2 U1.A4 U1.A5 U1.A6 U1.A12 U1.B1 U1.B2 U1.B12 U1.C1 U1.C2 U1.C7 U1.C8 U1.C9 U1.C10 U1.C11 U1.C12 U1.D1 U1.D12 U1.E1 U1.F1 U1.F3 U1.F7 U1.F9 U1.F11 U1.G1 U1.G10 U1.G12 U1.H1 U1.H2 U1.H3 U1.H5 U1.H6 U1.H7 U1.H9 U1.H10 U1.J1 U1.J2 U1.K1 U1.K2 U1.K12 U1.L1 U1.L2 U1.L3 U1.L7 U1.L8 U1.L9 U1.L10 U1.L11 U1.L12 U1.M4 U1.M5 U1.M6 U2.A1 U2.A8 U2.B1 U2.B2 U2.B8 U2.C9 U2.D1 U2.D8 U2.D9 U2.F2 U2.F8 U2.J1 U2.J9 U2.L1 U2.L9 U2.N1 U2.N9 U4.A5 U4.A8 U4.A18 U4.B1 U4.B8 U4.B11 U4.C4 U4.C9 U4.C14 U4.D5 U4.D6 U4.D8 U4.D17 U4.E6 U4.E10 U4.E20 U4.F3 U4.F7 U4.F10 U4.G10 U4.G12 U4.G16 U4.H7 U4.H9 U4.H11 U4.H13 U4.H19 U4.J2 U4.J8 U4.J10 U4.J12 U4.K5 U4.K7 U4.K10 U4.K11 U4.K13 U4.K15 U4.L8 U4.L9 U4.L12 U4.L18 U4.M1 U4.M7 U4.M9 U4.M10 U4.M11 U4.M13 U4.N4 U4.N8 U4.N10 U4.N12 U4.N14 U4.P7 U4.P9 U4.P11 U4.P13 U4.P17 U4.R8 U4.R12 U4.R20 U4.T3 U4.T7 U4.T13 U4.U6 U4.U16 U4.V9 U4.V19 U4.W2 U4.W12 U4.Y5 U4.Y15 U5.1 U5.3 U5.4 U5.5 U5.7 U5.9 U5.11 U5.15 U5.18 U5.20 U5.21 U5.25 U6.3 U6.9 U7.3 U7.9 U8.3 U8.9 U9.3 U9.9 U10.4 U11.3 U11.9 X1.2 | length 89
  Top Layer w0.152: v2(70.147,123.634) 70.147,123.685 70.444,123.982 72.329,123.982 72.682,123.629 R63.1@72.682,122.636
  Top Layer w0.191: R94.1@47.206,109.766 47.206,110.608 v1(47.219,110.62) ; v2(48.467,121.615) C51.2@48.591,121.491 ; C48.2@56.226,118.313 C48.2@56.286,118.373 ; U4.V9@64.187,106.324 U4.V9@64.187,106.33 ; C8.1@75.082,103.472 75.089,103.478 75.089,104.49 v1(75.095,104.496) ; U1.B12@75.095,105.296 v1(75.501,105.702) ; U1.C12@75.095,106.096 U1.C12@75.101,106.096 ; U1.D12@75.095,106.896 U1.C11@75.895,106.096 v1(75.501,105.702) ; v1(75.501,106.489) 75.495,106.489 U1.C12@75.102,106.096 ; U1.C12@75.101,106.096 75.495,105.702 v1(75.501,105.702)
  Top Layer w0.203: v1(47.603,103.819) pwr-1.1@47.917,103.505 ; v1@77.484,103.712 v1(77.485,103.713)
  Top Layer w0.305: C47.2@47.168,120.007 47.261,119.913 v1(48.591,119.913) ; C46.2@47.222,117.85 48.128,117.85 v1(48.591,118.313) ; v1(48.591,120.713) C51.2@48.591,121.491 ; v1(54.991,112.713) 55.009,112.695 56.21,112.695 C52.2@56.281,112.624 ; v1(54.991,118.313) C48.2@56.226,118.313 ; U4.W2@58.587,105.53 U4.W2@58.587,105.524 58.994,105.117 v1(58.994,105.111) ; v1(60.58,105.137) 60.58,105.131 U4.Y5@60.987,104.724 U4.Y5@60.987,104.718 ; v1(63.78,106.743) 63.78,106.737 U4.V9@64.187,106.33 ; U5.5@77.803,119.581 77.803,120.081 cw(c78.126,120.081) v1(77.898,120.31) ; U5.7@78.803,119.581 78.803,120.183 cw(c78.979,120.183) v1(78.854,120.307) ; U5.21@79.303,122.431 79.303,121.727 ccw(c79.382,121.727) v1(79.326,121.671) ; U5.25@79.553,121.006 79.776,121.229 v1(80.74,121.228) ; U5.9@79.803,119.581 79.803,120.303 v1(79.807,120.307) ; U5.20@79.803,122.431 79.803,121.676 v1(79.81,121.67) ; v1(80.734,120.32) cw(c80.568,120.153) 80.803,120.153 U5.11@80.803,119.581 ; v1(80.737,121.682) ccw(c80.577,121.842) 80.803,121.842 U5.18@80.803,122.431 ; U5.25@80.74,121.225 v1(81.219,121.225) ; U5.25@81.219,121.229 81.234,121.244 81.966,121.244 U5.15@81.978,121.256
  Top Layer w0.356: C53.2@47.168,121.988 47.399,121.757 48.344,121.757 48.467,121.635 v2(48.467,121.615) ; C88.1@47.244,123.506 C88.1@47.351,123.613 ; v2(47.244,123.736) C88.1@47.424,123.736 ; C53.2@47.351,121.805 C88.1@47.351,123.613 ; C88.1@47.351,123.663 C88.1@47.351,123.613 ; U9.3@48.273,124.031 47.769,124.031 47.516,123.778 47.466,123.778 C88.1@47.424,123.736 ; U9.3@48.274,124.051 48.998,124.051 v3(49.323,124.376) ; U9.9@49.444,124.255 49.577,124.388 U9.9@49.577,124.493 ; U6.3@52.116,107.414 52.841,107.414 v3(53.166,107.739) ; C56.2@52.279,122.384 52.279,123.415 v2(52.283,123.419) ; U11.3@53.264,124.041 53.989,124.041 v3(54.314,124.366) ; v2(57.061,99.999) U10.4@58.378,99.999 ; C43.2@58.064,103.306 58.072,103.314 v2(58.801,103.314) ; v2(60.731,103.708) 61.006,103.433 61.333,103.433 C140.2@61.455,103.311 ; v2(60.981,120.659) 60.995,120.644 60.995,119.933 U4.A5@60.987,119.924 ; C140.2@61.467,103.3 62.244,103.3 ; U4.E6@61.787,116.724 v2(61.787,117.524) ; v2(62.244,103.693) 62.244,103.3 ; R26.2@62.947,103.3 62.244,103.3 ; R26.2@62.967,103.319 63.025,103.378 63.599,103.378 63.706,103.485 v2(63.731,103.485) ; U4.D8@63.387,117.524 v1(64.187,118.324) ; U4.B8@63.387,119.124 63.395,119.133 63.395,119.164 63.401,119.17 63.401,119.898 63.387,119.912 v1(63.387,119.924) ; U4.Y15@68.987,104.724 68.987,104.736 U4.Y15@69.009,104.758 ; U4.Y15@69.009,104.759 69.359,105.109 69.359,105.122 v1(69.367,105.131) ; U4.V19@72.187,106.324 72.566,105.945 72.58,105.945 v1(72.589,105.936) ; R15.2@72.898,101.498 72.957,101.498 R15.2@72.97,101.511 ; v3(77.965,101.295) 78.29,101.62 U8.3@79.015,101.62 79.038,101.642 79.398,101.642 79.762,102.006 79.762,102.041 79.884,102.163 C21.2@79.934,102.163 C21.2@79.942,102.171 ; v2(79.985,102.171) C21.2@79.942,102.171 ; R12.2@80.848,102.176 80.842,102.17 79.943,102.17 C21.2@79.942,102.171 ; v3(82.851,101.321) 83.176,101.646 U7.3@83.901,101.646 ; C88.1@47.351,123.613 47.376,123.638 47.376,123.688 C88.1@47.424,123.736
  Bottom Layer w0.191: v1(54.991,114.313) 54.995,114.317 54.995,115.121 R21.1@54.999,115.126 ; C106.2@62.376,110.913 v1(62.587,111.124) 62.593,111.118 62.846,111.118 C83.2@62.852,111.112 ; v1@64.187,111.925 C73.2@64.757,111.925 ; C85.2@64.427,112.725 v1(64.987,112.724) ; C100.1@77.912,99.382 77.965,99.435 v3(77.965,100.545) ; C31.1@82.813,99.441 82.851,99.478 v3(82.851,100.571) ; v1(83.095,112.496) 83.095,113.129 83.25,113.284 R6.1@83.266,113.284
  Bottom Layer w0.203: C18.2@47.921,118.155 47.934,118.168 48.563,118.168 48.591,118.14 v1(48.591,118.313) 48.538,118.313 R22.2@48.498,118.274 ; R31.1@48.441,110.312 48.442,110.312 48.591,110.461 v1(48.591,111.113) ; v1(60.987,112.724) v1@60.987,112.777 ; v1(62.587,115.924) 62.625,115.962 62.625,116.264 62.654,116.294 C71.2@62.687,116.294 ; v1(66.587,115.124) C66.2@66.587,115.177 ; v1@69.781,115.118 v1(69.787,115.124) ; SD1.6@76.924,125.252 77.248,124.929 77.248,124.255 77.333,124.17 v1(77.333,124.116) ; R4.2@81.508,106.79 81.556,106.742 81.659,106.742 82.162,106.238 82.248,106.238 82.321,106.165 82.974,106.165 83.042,106.096 v1(83.095,106.096)
  Bottom Layer w0.254: C82.2@62.539,114.372 v1(62.587,114.324) C82.2@62.587,114.319 ; C82.2@62.581,114.415 C82.2@62.581,114.515 ; J1.12@63.728,103.077 63.728,103.481 v2(63.731,103.485) ; J1.9@65.228,103.077 65.228,103.797 v2(65.237,103.807)
  Bottom Layer w0.305: C59.2@67.674,118.3 68.08,118.3 68.086,118.306 68.169,118.306 v1(68.187,118.324) ; v1(70.587,109.524) C41.2@70.915,108.961 ; C17.1@79.772,103.848 79.772,104.373 v1(79.895,104.496) ; C7.1@81.593,108.409 C120.2@82.234,108.409 ; C120.2@82.247,108.422 v1(82.296,108.471)
  Bottom Layer w0.356: v2(52.283,123.419) 52.301,123.401 52.695,123.401 C141.1@53.01,123.087 C141.1@53.01,123.036 ; C104.1@52.969,121.679 52.969,121.136 53.391,120.713 v1(54.191,120.713) ; J2.MP1@56.414,123.944 J2.MP2@56.414,122.502 56.414,122.334 56.586,122.161 58.436,122.161 58.534,122.064 J2.MP3@58.534,122.047 58.56,122.021 v2(58.56,121.882) ; v2@57.256,123.926 57.238,123.944 56.446,123.944 56.446,124.755 J2.MP1@56.334,124.867 56.334,125.08 56.856,125.602 v2(57.282,125.602) ; C5.1@57.783,119.951 57.787,119.948 v1(57.787,119.124) ; J2.1@59.434,122.047 59.434,120.881 59.656,120.659 v2(60.981,120.659) ; v2(60.731,102.311) 60.728,102.315 J1.18@60.728,103.077 60.728,103.705 v2(60.731,103.708) ; v2@61.774,117.537 61.787,117.55 v2(61.787,117.524) ; R27.1@61.798,115.832 62.483,115.832 62.575,115.924 v1(62.587,115.924) 62.587,115.912 62.919,115.58 C16.2@62.919,115.569 ; v2(62.223,102.446) 62.228,102.451 J1.15@62.228,103.077 J1.15@62.228,103.377 ; J1.15@62.23,103.076 62.23,103.679 v2(62.244,103.693) ; J2.8@62.934,122.047 62.934,120.377 v1(63.387,119.924) ; v1(63.78,106.743) C29.2@64.292,106.731 ; v1(64.187,118.324) C143.2@64.195,118.316 ; C34.2@65.039,104.221 v2(65.237,103.807) ; v1(68.187,118.324) 68.189,118.326 C60.2@68.805,118.326 ; J2.MP6@72.034,124.867 72.069,124.902 SD1.12@73.564,124.902 ; C7.1@81.412,108.212 C7.1@81.496,108.296
  other v1: 85.281,102.972 47.603,103.235 73.982,103.276 76.689,103.713 78.296,103.713 47.587,104.394 80.695,104.496 81.495,104.496 83.095,104.496 83.895,104.496 83.095,105.296 83.895,105.296 66.587,105.524 76.695,106.096 77.495,106.096 78.295,106.096 79.095,106.096 83.895,106.096 83.895,106.896 61.787,107.124 69.787,107.124 83.895,107.697 59.387,107.924 62.587,107.924 67.387,107.924 75.895,108.496 77.495,108.496 79.095,108.496 83.895,108.496 63.387,108.724 66.587,108.724 72.987,108.724 75.095,109.296 76.695,109.296 83.896,109.296 62.587,109.524 64.187,109.524 65.787,109.524 67.387,109.524 76.695,110.096 77.495,110.096 79.095,110.096 79.895,110.096 80.695,110.096 82.295,110.096 83.095,110.096 83.895,110.096 60.187,110.324 63.387,110.324 64.987,110.324 66.587,110.324 68.187,110.324 83.095,110.896 83.895,110.896 54.991,111.113 57.787,111.124 64.187,111.124 64.986,111.125 65.787,111.124 67.387,111.124 51.828,111.208 75.095,111.696 83.095,111.696 83.895,111.696 63.387,111.924 64.187,111.924 66.587,111.924 71.387,111.924 75.095,112.496 75.895,112.496 76.695,112.496 77.495,112.496 78.295,112.496 79.095,112.496 82.295,112.496 83.895,112.496 48.591,112.713 62.587,112.724 65.787,112.724 67.387,112.724 68.987,112.724 84.54,112.837 79.895,113.296 80.695,113.296 81.495,113.296 58.587,113.524 63.387,113.524 64.987,113.524 66.587,113.524 84.521,113.612 47.219,113.696 82.483,113.995 51.821,114.255 48.591,114.313 64.187,114.324 65.787,114.324 67.387,114.324 72.187,114.324 81.64,114.351 84.43,114.371 82.521,114.644 84.438,115.019 77.008,115.047 64.987,115.124 76.2,115.138 79.223,115.151 80.59,115.266 82.207,115.303 75.514,115.481 84.756,115.596 82.842,115.659 47.219,115.772 78.511,115.849 79.588,115.839 59.387,115.924 64.987,115.924 81.614,115.93 83.401,116.141 84.95,116.15 85.542,116.154 75.044,116.167 77.622,116.23 76.772,116.332 82.334,116.459 79.595,116.572 81.576,116.636 51.796,116.658 49.391,116.713 54.191,116.713 64.987,116.724 72.987,116.724 74.663,116.764 84.209,116.925 81.619,117.174 76.606,117.196 82.338,117.416 84.772,117.483 79.819,117.505 83.081,117.488 83.583,117.491 84.186,117.493 85.357,117.496 70.587,117.524 74.8,117.553 81.293,117.697 73.812,117.792 77.589,117.866 81.809,118.017 84.246,118.03 79.819,118.116 82.376,118.197 75.666,118.296 52.391,118.313 54.191,118.313 60.187,118.324 81.854,118.659 84.29,118.681 83.199,118.773 82.587,118.79 74.123,118.811 74.779,118.819 76.575,118.83 75.667,118.846 77.562,118.84 80.775,118.963 54.991,119.113 65.787,119.124 84.806,119.253 81.887,119.349 83.498,119.347 75.674,119.439 73.85,119.558 77.572,119.621 49.391,119.913 54.191,119.913 71.387,119.924 83.721,119.957 75.755,120.04 84.807,120.053 74.447,120.104 76.505,120.091 82.765,120.214 80.277,120.307 78.384,120.32 79.323,120.308 81.214,120.316 75.946,120.51 77.356,120.51 83.706,120.575 76.492,120.65 74.562,120.675 84.821,120.704 77.889,120.764 78.846,120.761 79.315,120.762 79.798,120.761 80.268,120.761 83.108,120.764 78.376,120.774 80.725,120.774 81.205,120.77 74.968,121.209 77.903,121.218 78.86,121.215 79.329,121.216 79.812,121.215 80.282,121.215 78.39,121.228 83.738,121.258 84.851,121.367 83.171,121.428 77.9,121.673 78.857,121.67 80.28,121.67 81.216,121.679 78.387,121.682 75.362,121.717 76.022,121.869 76.733,121.869 47.155,121.955 83.71,122.025 84.894,122.031 82.884,122.048 82.094,122.327 79.566,122.403 83.305,122.472 82.657,122.679 84.831,122.707 83.653,122.89 81.837,123.031 80.886,123.139 83.058,123.175 82.417,123.201 84.551,123.325 81.062,123.675 84.072,123.914 81.536,124.118 82.36,124.146 83.24,124.146
  other v2: 85.115,99.047 72.326,100.673 69.85,101.472 63.716,102.489 56.708,102.622 66.726,103.695 72.149,104.089 55.97,105.474 51.164,105.486 47.219,106.467 51.219,106.582 56.08,108.674 51.219,109.356 75.764,114.389 60.987,117.524 51.27,121.602 70.109,121.628 66.439,122.957 57.282,123.926 78.27,124.113 79.21,124.104 80.145,124.113 66.434,124.358 60.038,124.447 84.887,124.752 52.288,125.293 72.034,125.311
  other v3: 77.965,102.045 82.851,102.071 53.166,106.989 53.166,108.489 49.323,123.626 54.314,123.616 49.323,125.126 54.314,125.116
LNA_EN: R68.1 U4.A19 | length 0.8
  Bottom Layer w0.152: R68.1@71.606,120.503 71.631,120.478 71.633,120.478 v2(72.187,119.924)
MIO15: J2.11 U4.C8 | length 7.2
  Top Layer w0.127: v2(63.203,122.958) 63.203,122.871 63.063,122.731 63.063,120.791 63.788,120.066 63.788,118.726 U4.C8@63.387,118.324
  Bottom Layer w0.127: v2(63.203,122.958) 63.232,122.987 64.186,122.987 64.434,122.739 J2.11@64.434,122.047
MIO_1: U4.A7
MIO_34: J2.14 U4.A12 | length 5.9
  Top Layer w0.127: U4.A12@66.587,119.924 66.587,120.486 67.132,121.031 v2(67.132,122.974)
  Bottom Layer w0.127: J2.14@65.934,122.047 65.934,123.142 66.2,123.408 66.698,123.408 v2(67.132,122.974)
MIO_46: D2.2 U4.D16 | length 8.5
  Top Layer w0.127: U4.D16@69.787,117.524 69.861,117.524 69.972,117.413 69.974,117.413 70.265,117.123 73.255,117.123 73.447,117.315 73.447,120.429 73.887,120.868 73.887,121.752 D2.2@73.901,121.767
MIO_48: J2.13 U4.B12 | length 3.4
  Bottom Layer w0.127: J2.13@65.434,122.047 65.455,122.026 65.455,121.298 66.587,120.167 v2(66.587,119.124)
MIO_49: D3.2 U4.C12 | length 5.3
  SIGNAL w0.127: v2(65.536,122.868) 65.189,122.521 65.189,121.056 66.164,120.081 66.164,118.747 v2(66.587,118.324)
MIO_53: J2.12 U4.C11 | length 4.5
  Bottom Layer w0.127: J2.12@64.934,122.126 64.934,121.388 66.195,120.127 66.195,118.732 v2(65.787,118.324)
mio_uart1_rx: J2.9 U4.A10 | length 2.9
  Bottom Layer w0.152: J2.9@63.434,122.047 63.462,122.019 63.462,121.145 64.667,119.941 64.971,119.941 v2(64.987,119.924)
mio_uart1_tx: J2.10 U4.A11 | length 3.3
  Bottom Layer w0.152: J2.10@63.934,122.047 63.934,121.22 64.745,120.409 65.392,120.409 65.664,120.137 65.664,120.128 65.787,120.005 v2(65.787,119.924)
MIPI_CLK0_N: J1.7 R72.2 U4.U19 | length 10.9
  Bottom Layer w0.123: J1.7@66.228,103.077 66.228,103.402 66.116,103.514 66.116,104.779 66.138,104.802 66.188,104.852 67.077,104.852 cw(c67.077,104.663) 67.265,104.663 67.265,104.357 ccw(c67.729,104.357) 67.729,103.893 ccw(c67.729,104.357) 68.193,104.357 68.193,104.634 cw(c68.613,104.634) 68.317,104.931 68.418,105.033 69.531,106.145 71.486,106.145 71.92,106.579 71.92,106.939 72.016,107.035 72.077,107.035 R72.2@72.167,107.124 ; R72.2@71.989,107.124 v2(72.187,107.124) 72.187,107.056 R72.2@72.131,106.999 ; R72.2@72.055,107.124 72.113,107.067 R72.2@72.113,106.999
MIPI_CLK0_P: J1.8 R72.1 U4.U18 | length 10.4
  Bottom Layer w0.123: J1.8@65.728,103.077 65.728,103.402 65.84,103.514 65.84,104.894 66.074,105.127 66.138,105.127 67.077,105.127 cw(c67.077,104.663) 67.541,104.663 67.541,104.357 ccw(c67.729,104.357) 67.729,104.168 ccw(c67.729,104.357) 67.918,104.357 67.918,104.634 cw(c68.613,104.634) 68.122,105.126 68.351,105.355 69.417,106.42 71.372,106.42 71.645,106.693 71.645,106.939 71.572,107.011 71.569,107.011 71.534,107.046 71.534,107.065 71.475,107.124 v2(71.387,107.124)
MIPI_D0_LP_N: R83.1 U10.6 | length 2.8
  Top Layer w0.152: U10.6@61.23,100.499 61.239,100.49 R83.1@64.033,100.49
MIPI_D0_LP_P: R80.1 U10.7 | length 4
  Top Layer w0.152: U10.7@61.23,100.999 64.447,100.999 64.674,100.772 64.674,100.722 64.898,100.498 R80.1@64.948,100.498
MIPI_D0_N: J1.11 R81.2 R83.2 U4.W19 | length 12.4
  Top Layer w0.123: R83.2@64.033,101.49 64.197,101.654 v2@64.197,102.157
  SIGNAL w0.123: v2(64.198,102.159) 64.198,102.071 64.346,101.923 64.346,101.635 64.632,101.35 68.542,101.35 71.925,104.733 71.925,105.262 v2(72.187,105.524)
  Bottom Layer w0.123: v2(64.198,102.159) 64.198,102.247 64.36,102.409 64.36,102.619 64.228,102.752 J1.11@64.228,103.077